# KiCad board mtk64_R_rev2.kicad_pcb (continued)
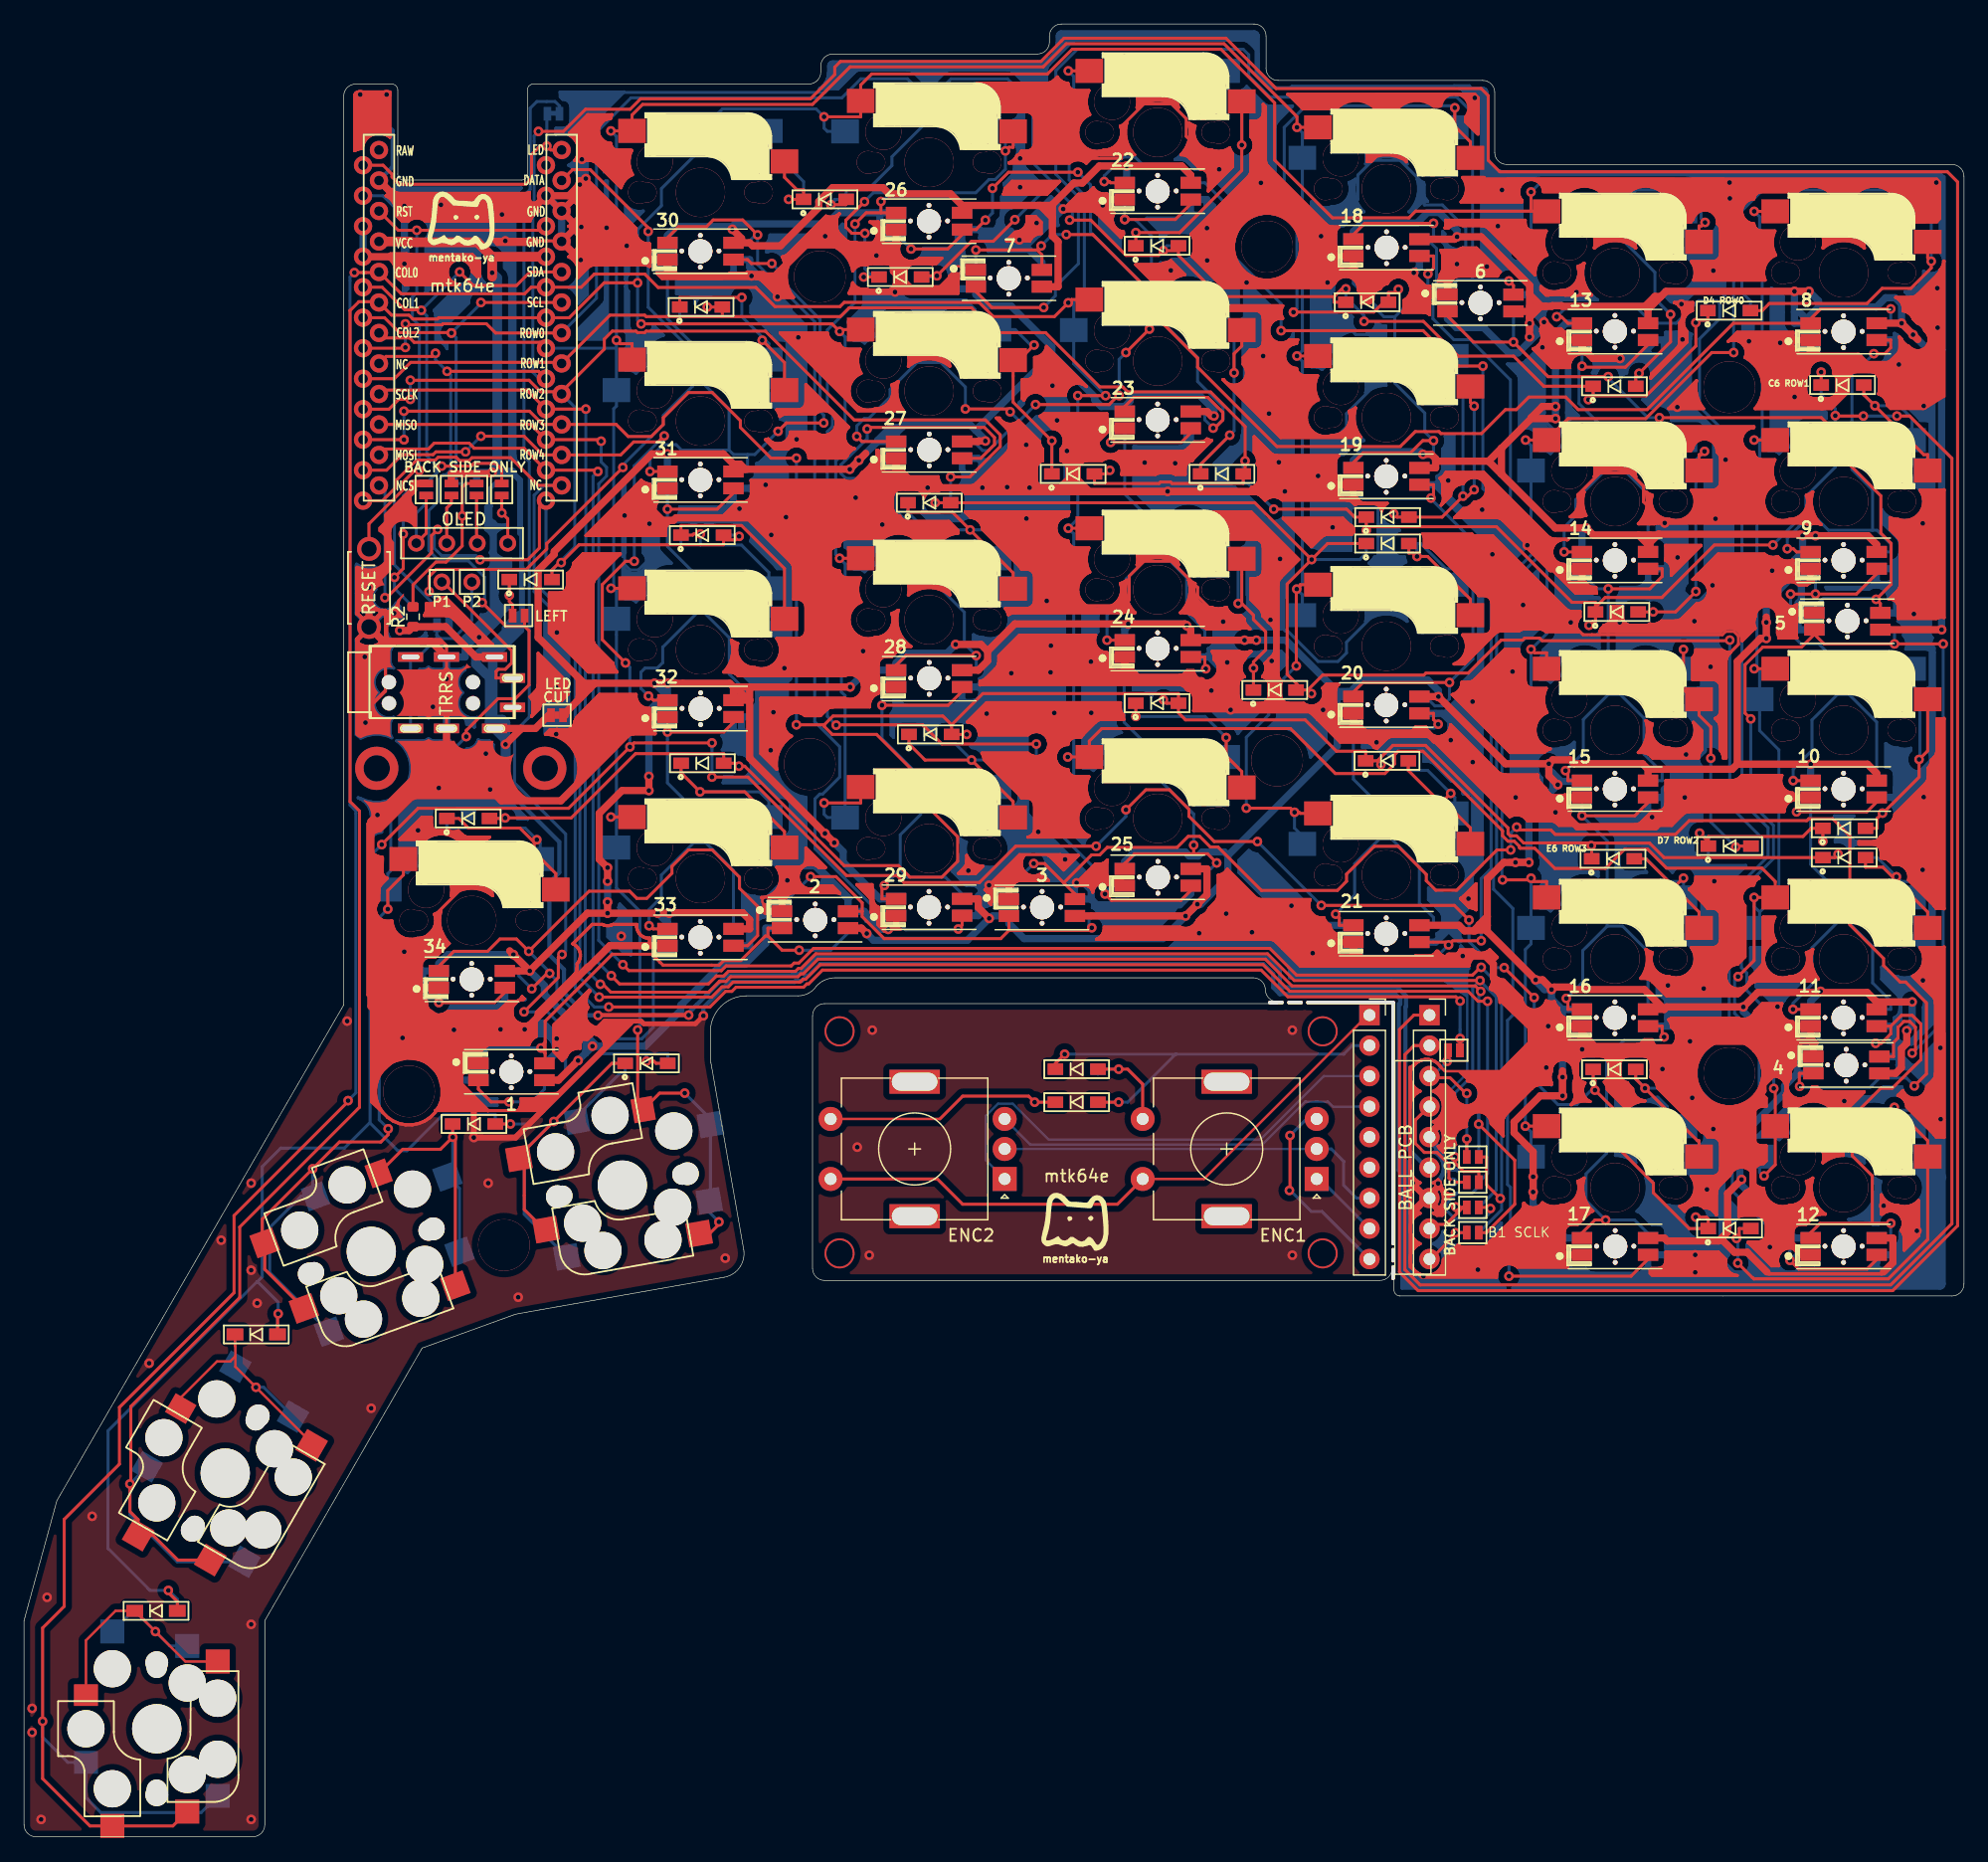
[diagram p0: board, top side]
## Routing (per net, layer and track width the routed paths; a pad name or vN(x,y) marks a point on that pad's centre or on a via; arc(x,y) is an arc through that point) (continued)
 72.81,114.95 ; 149.17,66.39 149.15,66.39 ; 149.17,66.39 149.15,66.39 ; 107.98,76.55 108.19,76.55 ; 107.98,76.55 107.78,76.59 ; 107.98,76.55 108.19,76.55 ; 107.98,76.55 107.78,76.59 ; 67.86,124.36 67.95,124.36 ; 67.86,124.36 67.66,124.4 ; 67.86,124.36 67.66,124.4 ; 67.86,124.36 67.95,124.36 ; 67.95,124.36 67.97,124.3 ; 67.95,124.36 67.97,124.3 ; 146.48,48.82 146.33,48.67 ; 146.48,48.82 146.65,48.93 ; 146.48,48.82 146.65,48.93 ; 146.48,48.82 146.33,48.67 ; 88.08,114.45 88.18,114.53 ; 88.08,114.45 88.18,114.53 ; 135.67,111.75 135.36,111.87 ; 135.67,111.75 135.36,111.87 ; 38.54,65.92 38.67,65.96 ; 38.54,65.92 38.67,65.96 ; 48.59,74.15 48.58,74.14 ; 48.59,74.15 48.72,74.22 ; 48.59,74.15 48.72,74.22 ; 48.59,74.15 48.58,74.14 ; 48.58,74.14 48.5,74.08 ; 48.58,74.14 48.5,74.08 ; 84.09,140.7 84.15,140.81 ; 84.09,140.7 84.01,140.6 ; 84.09,140.7 84.01,140.6 ; 84.09,140.7 84.15,140.81 ; 84.15,140.81 84.19,140.93 ; 84.15,140.81 84.19,140.93 ; 104.7,104.89 104.68,104.87 ; 104.7,104.89 104.68,104.87 ; 146.1,48.12 146.1,47.91 ; 146.1,48.12 146.1,47.91 ; 146.1,47.91 146.14,47.71 ; 146.1,47.91 146.14,47.71 ; 102.58,111.89 102.54,111.89 ; 102.58,111.89 102.69,111.87 ; 102.58,111.89 102.69,111.87 ; 102.58,111.89 102.54,111.89 ; 102.54,111.89 102.51,111.89 ; 102.54,111.89 102.51,111.89 ; 74.14,103.76 73.7,103.46 ; 74.14,103.76 74.63,103.96 ; 74.14,103.76 73.7,103.46 ; 74.14,103.76 74.63,103.96 ; 73.7,103.46 73.68,103.45 ; 73.7,103.46 73.68,103.45 ; 100,102.35 100.17,102.42 ; 100,102.35 100.17,102.42 ; 100,102.35 99.7,102.29 ; 100,102.35 99.7,102.29 ; 100.17,102.42 100.24,102.24 ; 100.17,102.42 100.24,102.24 ; 87.5,139.65 87.31,139.57 ; 87.5,139.65 87.31,139.57 ; 88.52,106.63 88.52,106.21 ; 88.52,106.63 88.52,106.21 ; 88.52,106.63 88.6,107.04 ; 88.52,106.63 88.6,107.04 ; 88.52,106.21 88.6,105.79 ; 88.52,106.21 88.6,105.79 ; 119.82,98.17 119.99,98.42 ; 119.82,98.17 119.6,97.94 ; 119.82,98.17 119.99,98.42 ; 119.82,98.17 119.6,97.94 ; 77.79,108.76 77.83,108.59 ; 77.79,108.76 77.83,108.59 ; 77.79,108.76 77.79,108.82 ; 77.79,108.76 77.79,108.82 ; 77.83,108.59 77.74,108.59 ; 77.83,108.59 77.74,108.59 ; 34,84.11 34.05,84 ; 34,84.11 33.96,84.23 ; 34,84.11 34.05,84 ; 34,84.11 33.96,84.23 ; 34.05,84 34.13,83.9 ; 34.05,84 34.13,83.9 ; 138.31,85.28 138.2,85.18 ; 138.31,85.28 138.2,85.18 ; 138.2,85.18 138.17,85.15 ; 138.2,85.18 138.17,85.15 ; 137.84,127.62 137.67,127.73 ; 137.84,127.62 137.99,127.47 ; 137.84,127.62 137.67,127.73 ; 137.84,127.62 137.99,127.47 ; 137.67,127.73 137.51,127.8 ; 137.67,127.73 137.51,127.8 ; 72.83,102.17 72.83,102.16 ; 72.83,102.17 72.83,102.16 ; 72.83,102.16 72.72,101.64 ; 72.83,102.16 72.72,101.64 ; 100.72,120.91 100.52,120.95 ; 100.72,120.91 100.52,120.95 ; 98.56,116.44 98.51,116.37 ; 98.56,116.44 98.51,116.37 ; 108.32,108.43 108.19,108.36 ; 108.32,108.43 108.19,108.36 ; 108.32,108.43 108.33,108.43 ; 108.32,108.43 108.33,108.43 ; 139.16,73.59 139.04,73.88 ; 139.16,73.59 139.22,73.28 ; 139.16,73.59 139.22,73.28 ; 139.16,73.59 139.04,73.88 ; 139.04,73.88 138.92,74.07 ; 139.04,73.88 138.92,74.07 ; 63.36,92.93 63.32,92.73 ; 63.36,92.93 63.32,92.73 ; 137.24,116.52 137.15,116.93 ; 137.24,116.52 137.15,116.93 ; 50.97,133.83 50.97,133.63 ; 50.97,133.83 51,133.97 ; 50.97,133.83 50.97,133.63 ; 50.97,133.83 51,133.97 ; 50.97,133.63 51.01,133.43 ; 50.97,133.63 51.01,133.43 ; 129.49,53.64 129.55,53.93 ; 129.49,53.64 129.38,53.37 ; 129.49,53.64 129.38,53.37 ; 129.49,53.64 129.55,53.93 ; 129.55,53.93 129.55,54.22 ; 129.55,53.93 129.55,54.22 ; 72.65,112.13 72.76,112.19 ; 72.65,112.13 72.76,112.19 ; 78.81,112.51 78.84,112.52 ; 78.81,112.51 78.77,112.52 ; 78.81,112.51 78.84,112.52 ; 78.81,112.51 78.77,112.52 ; 78.84,112.52 78.95,112.53 ; 78.84,112.52 78.95,112.53 ; 129.88,53.81 129.88,54.34 ; 129.88,53.81 129.88,54.34 ; 128.14,128.47 128.1,128.48 ; 128.14,128.47 128.1,128.48 ; 128.1,128.48 128.05,128.47 ; 128.1,128.48 128.05,128.47 ; 147.89,123.55 148.01,123.54 ; 147.89,123.55 147.77,123.59 ; 147.89,123.55 148.01,123.54 ; 147.89,123.55 147.77,123.59 ; 148.01,123.54 148.57,123.54 ; 148.01,123.54 148.57,123.54 ; 128.13,137.02 128.01,137.03 ; 128.13,137.02 128.25,136.99 ; 128.13,137.02 128.01,137.03 ; 128.13,137.02 128.25,136.99 ; 128.01,137.03 126.59,137.03 ; 128.01,137.03 126.59,137.03 ; 97.26,104.52 97.57,104.4 ; 97.26,104.52 97.57,104.4 ; 63.87,91.71 63.94,91.68 ; 63.87,91.71 63.94,91.68 ; 99.28,127.36 99.07,127.45 ; 99.28,127.36 99.63,127.12 ; 99.28,127.36 99.07,127.45 ; 99.28,127.36 99.63,127.12 ; 99.07,127.45 99.12,127.72 ; 99.07,127.45 99.12,127.72 ; 52.13,92.65 52.17,92.53 ; 52.13,92.65 52.17,92.53 ; 118.1,47.47 118.2,47.73 ; 118.1,47.47 118.2,47.73 ; 118.1,47.47 117.95,47.25 ; 118.1,47.47 117.95,47.25 ; 67.67,117.67 67.67,117.87 ; 67.67,117.67 67.67,117.87 ; 67.67,117.67 67.63,117.47 ; 67.67,117.67 67.63,117.47 ; 67.67,117.87 67.63,118.07 ; 67.67,117.87 67.63,118.07 ; 136.8,86.08 136.8,87.08 ; 136.8,86.08 136.8,87.08 ; 136.8,86.08 136.79,85.95 ; 136.8,86.08 136.79,85.95 ; 70.72,134.37 70.86,134.23 ; 70.72,134.37 70.86,134.23 ; 107.97,116.7 108.27,116.64 ; 107.97,116.7 108.27,116.64 ; 145.91,112.75 145.95,112.7 ; 145.91,112.75 145.75,113.14 ; 145.91,112.75 145.95,112.7 ; 145.91,112.75 145.75,113.14 ; 145.95,112.7 145.78,112.63 ; 145.95,112.7 145.78,112.63 ; 136.84,70.06 135.71,71.2 ; 136.84,70.06 136.86,70.07 ; 136.84,70.06 135.71,71.2 ; 136.84,70.06 136.86,70.07 ; 135.71,71.2 135.68,71.24 ; 135.71,71.2 135.68,71.24 ; 96.2,145.07 96.14,144.73 ; 96.2,145.07 96.14,144.73 ; 96.14,144.73 96.14,144.31 ; 96.14,144.73 96.14,144.31 ; 145.61,106.57 145.82,106.57 ; 145.61,106.57 145.41,106.61 ; 145.61,106.57 145.82,106.57 ; 145.61,106.57 145.41,106.61 ; 101.55,111.97 101.59,111.96 ; 101.55,111.97 95.69,111.97 ; 101.55,111.97 95.69,111.97 ; 101.55,111.97 101.59,111.96 ; 101.59,111.96 101.73,111.98 ; 101.59,111.96 101.73,111.98 ; 140.12,116.44 139.92,116.44 ; 140.12,116.44 139.92,116.44 ; 147.34,106.35 147.39,106.32 ; 147.34,106.35 147.39,106.32 ; 67.71,134.07 67.71,134.04 ; 67.71,134.07 67.71,134.11 ; 67.71,134.07 67.71,134.04 ; 67.71,134.07 67.71,134.11 ; 67.71,134.04 67.72,133.92 ; 67.71,134.04 67.72,133.92 ; 148.99,86.43 148.73,86.43 ; 148.99,86.43 148.99,86.45 ; 148.99,86.43 148.73,86.43 ; 148.99,86.43 148.99,86.45 ; 148.73,86.43 148.73,86.45 ; 148.73,86.43 148.73,86.45 ; 68.9,115.73 69.09,115.65 ; 68.9,115.73 69.09,115.65 ; 69.09,115.65 69.19,115.63 ; 69.09,115.65 69.19,115.63 ; 45.46,131.58 45.68,131.43 ; 45.46,131.58 45.68,131.43 ; 71.17,114.33 71.18,114.2 ; 71.17,114.33 71.18,114.2 ; 71.17,114.33 71.18,114.54 ; 71.17,114.33 71.18,114.54 ; 91.56,101.96 91.7,102.02 ; 91.56,101.96 91.7,102.02 ; 129.98,54.86 129.88,54.34 ; 129.98,54.86 129.98,54.87 ; 129.98,54.86 129.88,54.34 ; 129.98,54.86 129.98,54.87 ; 45.98,74.23 45.81,74.34 ; 45.98,74.23 45.81,74.34 ; 45.81,74.34 45.72,74.38 ; 45.81,74.34 45.72,74.38 ; 104.2,100.52 104.21,100.41 ; 104.2,100.52 104.21,100.41 ; 139.06,98.24 139.18,98.41 ; 139.06,98.24 139.18,98.41 ; 119.58,130.01 119.55,130.01 ; 119.58,130.01 119.55,130.01 ; 107.03,118.98 106.91,118.69 ; 107.03,118.98 106.91,118.69 ; 107.03,118.98 107.2,119.24 ; 107.03,118.98 107.2,119.24 ; 106.91,118.69 106.84,118.38 ; 106.91,118.69 106.84,118.38 ; 107.85,119.7 107.68,119.63 ; 107.85,119.7 107.68,119.63 ; 129.96,105.75 129.96,105.5 ; 129.96,105.75 129.94,105.75 ; 129.96,105.75 129.96,105.5 ; 129.96,105.75 129.94,105.75 ; 129.96,105.5 129.94,105.5 ; 129.96,105.5 129.94,105.5 ; 74.63,103.96 75.15,104.06 ; 74.63,103.96 75.15,104.06 ; 45.47,92.26 45.58,92.32 ; 45.47,92.26 45.35,92.23 ; 45.47,92.26 45.35,92.23 ; 45.47,92.26 45.58,92.32 ; 45.58,92.32 45.68,92.4 ; 45.58,92.32 45.68,92.4 ; 91.38,114.32 91.26,114.49 ; 91.38,114.32 91.46,114.13 ; 91.38,114.32 91.26,114.49 ; 91.38,114.32 91.46,114.13 ; 91.26,114.49 91.12,114.63 ; 91.26,114.49 91.12,114.63 ; 129.52,66.39 128.96,66.39 ; 129.52,66.39 128.96,66.39 ; 153.2,123.05 153.32,122.88 ; 153.2,123.05 153.32,122.88 ; 46.91,97.16 46.87,97.18 ; 46.91,97.16 46.94,97.12 ; 46.91,97.16 46.94,97.12 ; 46.91,97.16 46.87,97.18 ; 46.87,97.18 43.77,100.29 ; 46.87,97.18 43.77,100.29 ; 33.36,69.69 33.47,69.64 ; 33.36,69.69 33.47,69.64 ; 33.36,69.69 33.26,69.77 ; 33.36,69.69 33.26,69.77 ; 100.19,108.08 100.07,108.05 ; 100.19,108.08 100.31,108.09 ; 100.19,108.08 100.31,108.09 ; 100.19,108.08 100.07,108.05 ; 100.07,108.05 99.96,107.99 ; 100.07,108.05 99.96,107.99 ; 111.07,111.49 111.13,111.39 ; 111.07,111.49 111.13,111.39 ; 111.13,111.39 111.22,111.28 ; 111.13,111.39 111.22,111.28 ; 156.2,51.91 156.03,52.02 ; 156.2,51.91 156.34,51.76 ; 156.2,51.91 156.03,52.02 ; 156.2,51.91 156.34,51.76 ; 45.68,131.43 45.88,131.24 ; 45.68,131.43 45.88,131.24 ; 36.53,78.91 36.04,78.7 ; 36.53,78.91 37.05,79.01 ; 36.53,78.91 36.04,78.7 ; 36.53,78.91 37.05,79.01 ; 36.04,78.7 35.6,78.41 ; 36.04,78.7 35.6,78.41 ; 149.9,51.99 149.52,52.36 ; 149.9,51.99 149.52,52.36 ; 67.93,107.62 67.93,107.53 ; 67.93,107.62 67.93,107.53 ; 67.93,107.53 67.85,107.53 ; 67.93,107.53 67.85,107.53 ; 119.93,110.63 119.99,110.63 ; 119.93,110.63 119.99,110.63 ; 119.93,110.63 119.18,109.89 ; 119.93,110.63 119.18,109.89 ; 119.99,110.63 120.19,110.67 ; 119.99,110.63 120.19,110.67 ; 81.93,77.98 80.73,77.98 ; 81.93,77.98 80.73,77.98 ; 77.98,112.23 78.1,112.19 ; 77.98,112.23 78.1,112.19 ; 128.91,60.98 129.01,61.05 ; 128.91,60.98 129.01,61.05 ; 98.3,138.87 98.41,138.81 ; 98.3,138.87 98.41,138.81 ; 85.97,90.25 85.93,90.05 ; 85.97,90.25 85.93,90.05 ; 79.29,80.25 77.86,80.25 ; 79.29,80.25 77.86,80.25 ; 113.58,129.38 113.54,129.37 ; 113.58,129.38 113.54,129.37 ; 113.58,129.38 113.59,129.4 ; 113.58,129.38 113.59,129.4 ; 124.96,52.65 124.96,52.69 ; 124.96,52.65 124.96,52.69 ; 124.96,52.65 124.95,52.54 ; 124.96,52.65 124.95,52.54 ; 124.96,52.69 124.96,52.73 ; 124.96,52.69 124.96,52.73 ; 63.9,106.19 63.87,106.21 ; 63.9,106.19 63.87,106.21 ; 63.9,106.19 63.92,106.16 ; 63.9,106.19 63.92,106.16 ; 63.87,106.21 60.35,109.74 ; 63.87,106.21 60.35,109.74 ; 118.2,60.43 118.26,60.69 ; 118.2,60.43 118.1,60.17 ; 118.2,60.43 118.26,60.69 ; 118.2,60.43 118.1,60.17 ; 100.16,121.14 100.33,121.03 ; 100.16,121.14 100.02,121.29 ; 100.16,121.14 100.02,121.29 ; 100.16,121.14 100.33,121.03 ; 100.33,121.03 100.52,120.95 ; 100.33,121.03 100.52,120.95 ; 129.21,53.13 129.38,53.37 ; 129.21,53.13 129.01,52.92 ; 129.21,53.13 129.38,53.37 ; 129.21,53.13 129.01,52.92 ; 85.31,146.08 85.43,146.09 ; 85.31,146.08 85.28,146.08 ; 85.31,146.08 85.43,146.09 ; 85.31,146.08 85.28,146.08 ; 85.43,146.09 85.57,146.14 ; 85.43,146.09 85.57,146.14 ; 73.6,130.76 73.55,130.64 ; 73.6,130.76 73.55,130.64 ; 73.6,130.76 73.68,130.85 ; 73.6,130.76 73.68,130.85 ; 73.55,130.64 73.51,130.53 ; 73.55,130.64 73.51,130.53 ; 110.63,112.5 110.63,111.65 ; 110.63,112.5 110.63,111.65 ; 66.96,106.19 67.04,106.01 ; 66.96,106.19 66.92,106.39 ; 66.96,106.19 67.04,106.01 ; 66.96,106.19 66.92,106.39 ; 67.04,106.01 67.15,105.84 ; 67.04,106.01 67.15,105.84 ; 72.53,113.85 72.53,114.7 ; 72.53,113.85 72.37,113.69 ; 72.53,113.85 72.53,114.7 ; 72.53,113.85 72.37,113.69 ; 72.53,114.7 71.33,114.7 ; 72.53,114.7 71.33,114.7 ; 152.02,135.15 152.1,134.73 ; 152.02,135.15 152.02,135.57 ; 152.02,135.15 152.02,135.57 ; 152.02,135.15 152.1,134.73 ; 152.1,134.73 152.26,134.34 ; 152.1,134.73 152.26,134.34 ; 30.24,141.74 30.46,141.59 ; 30.24,141.74 30.46,141.59 ; 60.6,111.83 60.6,112.83 ; 60.6,111.83 60.6,112.83 ; 38.81,65.97 38.78,65.97 ; 38.81,65.97 38.84,65.97 ; 38.81,65.97 38.78,65.97 ; 38.81,65.97 38.84,65.97 ; 38.78,65.97 38.67,65.96 ; 38.78,65.97 38.67,65.96 ; 100.18,80.46 100.26,80.59 ; 100.18,80.46 100.26,80.59 ; 47.62,97.02 47.57,97.03 ; 47.62,97.02 47.57,97.03 ; 47.62,97.02 49.41,97.02 ; 47.62,97.02 49.41,97.02 ; 47.57,97.03 47.52,97.02 ; 47.57,97.03 47.52,97.02 ; 156.41,124.78 156.47,124.63 ; 156.41,124.78 156.47,124.63 ; 80.2,96.55 80.92,97.26 ; 80.2,96.55 80.92,97.26 ; 80.92,97.26 80.95,97.29 ; 80.92,97.26 80.95,97.29 ; 122.12,59.85 122.2,59.66 ; 122.12,59.85 122.2,59.66 ; 120.38,110.75 120.55,110.86 ; 120.38,110.75 120.19,110.67 ; 120.38,110.75 120.55,110.86 ; 120.38,110.75 120.19,110.67 ; 120.55,110.86 120.7,111.01 ; 120.55,110.86 120.7,111.01 ; 128.78,84.95 128.81,84.75 ; 128.78,84.95 128.78,85.15 ; 128.78,84.95 128.78,85.15 ; 128.78,84.95 128.81,84.75 ; 128.81,84.75 128.89,84.56 ; 128.81,84.75 128.89,84.56 ; 136.36,90.86 136.11,91.02 ; 136.36,90.86 136.11,91.02 ; 71.18,133.59 71.33,133.75 ; 71.18,133.59 71.33,133.75 ; 69.35,132.81 69.01,132.81 ; 69.35,132.81 69.01,132.81 ; 84.44,89.99 84.64,90.03 ; 84.44,89.99 84.24,89.99 ; 84.44,89.99 84.64,90.03 ; 84.44,89.99 84.24,89.99 ; 84.64,90.03 84.83,90.11 ; 84.64,90.03 84.83,90.11 ; 45.89,71.87 45.86,71.83 ; 45.89,71.87 45.86,71.83 ; 139.3,121.02 139.3,120.48 ; 139.3,121.02 139.3,120.48 ; 139.3,121.02 139.35,121.29 ; 139.3,121.02 139.35,121.29 ; 148.73,105.5 148.73,104.65 ; 148.73,105.5 148.73,104.65 ; 159.12,77.59 157.01,79.71 ; 159.12,77.59 157.01,79.71 ; 157.01,79.71 157.04,79.87 ; 157.01,79.71 157.04,79.87 ; 102.97,111.76 102.84,111.83 ; 102.97,111.76 102.84,111.83 ; 102.84,111.83 102.69,111.87 ; 102.84,111.83 102.69,111.87 ; 138.53,125.42 138.53,124.49 ; 138.53,125.42 138.49,125.46 ; 138.53,125.42 138.49,125.46 ; 138.53,125.42 138.53,124.49 ; 87.91,112.93 87.9,113.05 ; 87.91,112.93 87.9,113.05 ; 32.89,64.77 33.39,64.56 ; 32.89,64.77 33.39,64.56 ; 92.45,101.96 92.57,101.96 ; 92.45,101.96 92.57,101.96 ; 37.71,81.2 37.8,80.78 ; 37.71,81.2 37.8,80.78 ; 37.71,81.2 37.71,81.62 ; 37.71,81.2 37.71,81.62 ; 37.8,80.78 37.96,80.39 ; 37.8,80.78 37.96,80.39 ; 136.28,47.35 136.4,47.39 ; 136.28,47.35 136.16,47.34 ; 136.28,47.35 136.16,47.34 ; 136.28,47.35 136.4,47.39 ; 66.03,132.74 65.49,132.63 ; 66.03,132.74 65.49,132.63 ; 109.28,74.81 109.43,74.65 ; 109.28,74.81 109.43,74.65 ; 109.28,74.81 109.27,75.03 ; 109.28,74.81 109.27,75.03 ; 104.71,94.93 104.75,94.81 ; 104.71,94.93 104.7,95.05 ; 104.71,94.93 104.7,95.05 ; 104.71,94.93 104.75,94.81 ; 104.75,94.81 104.8,94.7 ; 104.75,94.81 104.8,94.7 ; 128.72,85.49 128.84,85.45 ; 128.72,85.49 128.61,85.54 ; 128.72,85.49 128.61,85.54 ; 128.72,85.49 128.84,85.45 ; 120.16,113.01 120.02,112.87 ; 120.16,113.01 120.02,112.87 ; 120.02,112.87 119.91,112.7 ; 120.02,112.87 119.91,112.7 ; 103.47,97.45 103.43,97.65 ; 103.47,97.45 103.43,97.65 ; 103.43,97.65 103.39,97.74 ; 103.43,97.65 103.39,97.74 ; 145.75,114.39 145.66,113.98 ; 145.75,114.39 145.88,114.71 ; 145.75,114.39 145.66,113.98 ; 145.75,114.39 145.88,114.71 ; 145.66,113.98 145.66,113.56 ; 145.66,113.98 145.66,113.56 ; 107.28,107.47 104.92,109.83 ; 107.28,107.47 104.92,109.83 ; 101.44,97.05 101.52,96.86 ; 101.44,97.05 101.4,97.25 ; 101.44,97.05 101.52,96.86 ; 101.44,97.05 101.4,97.25 ; 101.52,96.86 101.63,96.69 ; 101.52,96.86 101.63,96.69 ; 128.33,124.96 128.48,124.8 ; 128.33,124.96 128.48,124.8 ; 141.63,100.6 141.46,100.49 ; 141.63,100.6 141.82,100.68 ; 141.63,100.6 141.82,100.68 ; 141.63,100.6 141.46,100.49 ; 141.46,100.49 141.36,100.39 ; 141.46,100.49 141.36,100.39 ; 118.18,112.77 118.14,112.92 ; 118.18,112.77 118.2,112.63 ; 118.18,112.77 118.14,112.92 ; 118.18,112.77 118.2,112.63 ; 138.17,115.4 138.06,115.34 ; 138.17,115.4 138.06,115.34 ; 67.04,106.99 66.96,106.8 ; 67.04,106.99 67.15,107.16 ; 67.04,106.99 66.96,106.8 ; 67.04,106.99 67.15,107.16 ; 66.96,106.8 66.92,106.6 ; 66.96,106.8 66.92,106.6 ; 131.38,114.65 131.68,114.94 ; 131.38,114.65 131.03,114.41 ; 131.38,114.65 131.03,114.41 ; 131.38,114.65 131.68,114.94 ; 143.68,49.55 144.53,49.55 ; 143.68,49.55 144.53,49.55 ; 144.53,49.55 144.65,49.56 ; 144.53,49.55 144.65,49.56 ; 72.76,112.19 72.88,112.23 ; 72.76,112.19 72.88,112.23 ; 87.02,107.75 87.08,107.64 ; 87.02,107.75 86.98,107.87 ; 87.02,107.75 86.98,107.87 ; 87.02,107.75 87.08,107.64 ; 110.65,109.1 110.73,109 ; 110.65,109.1 110.6,109.21 ; 110.65,109.1 110.6,109.21 ; 110.65,109.1 110.73,109 ; 110.73,109 110.8,108.94 ; 110.73,109 110.8,108.94 ; 151.56,56.76 151.35,56.76 ; 151.56,56.76 151.56,56.76 ; 151.56,56.76 151.56,56.76 ; 151.56,56.76 151.35,56.76 ; 151.35,56.76 150.83,56.66 ; 151.35,56.76 150.83,56.66 ; 128.37,50.62 128.33,50.5 ; 128.37,50.62 128.43,50.73 ; 128.37,50.62 128.33,50.5 ; 128.37,50.62 128.43,50.73 ; 140.29,104.03 140.21,104.22 ; 140.29,104.03 140.21,104.22 ; 109.44,116.8 109.71,116.91 ; 109.44,116.8 109.71,116.91 ; 109.71,116.91 109.96,117.07 ; 109.71,116.91 109.96,117.07 ; 46.98,130.71 46.95,130.68 ; 46.98,130.71 46.95,130.68 ; 46.95,130.68 46.11,129.84 ; 46.95,130.68 46.11,129.84 ; 69.1,119.42 69.32,119.19 ; 69.1,119.42 69.32,119.19 ; 45.23,92.22 45.35,92.23 ; 45.23,92.22 45.35,92.23 ; 101.79,134.61 101.4,134.23 ; 101.79,134.61 101.4,134.23 ; 52.72,130.24 53.15,129.81 ; 52.72,130.24 53.15,129.81 ; 116.87,53.03 117.65,52.25 ; 116.87,53.03 117.65,52.25 ; 32.39,74.74 32.69,74.8 ; 32.39,74.74 32.69,74.8 ; 71.51,108.11 71.86,108.35 ; 71.51,108.11 71.86,108.35 ; 79.48,80.9 79.21,81.01 ; 79.48,80.9 79.21,81.01 ; 128.33,105.91 128.48,105.75 ; 128.33,105.91 128.48,105.75 ; 128.33,105.91 128.32,105.99 ; 128.33,105.91 128.32,105.99 ; 128.48,105.75 129.68,105.75 ; 128.48,105.75 129.68,105.75 ; 101.24,100.61 98.52,100.61 ; 101.24,100.61 98.52,100.61 ; 116.77,91.67 116.73,91.67 ; 116.77,91.67 116.8,91.67 ; 116.77,91.67 116.73,91.67 ; 116.77,91.67 116.8,91.67 ; 116.73,91.67 114.08,91.67 ; 116.73,91.67 114.08,91.67 ; 143.4,61.13 143.86,61.44 ; 143.4,61.13 142.9,60.92 ; 143.4,61.13 143.86,61.44 ; 143.4,61.13 142.9,60.92 ; 143.86,61.44 144.25,61.82 ; 143.86,61.44 144.25,61.82 ; 67.97,124.3 68.03,124.19 ; 67.97,124.3 68.03,124.19 ; 134.65,90.46 134.94,90.9 ; 134.65,90.46 134.5,90.32 ; 134.65,90.46 134.5,90.32 ; 134.65,90.46 134.94,90.9 ; 134.94,90.9 135.14,91.39 ; 134.94,90.9 135.14,91.39 ; 138.18,126.51 138.22,126.71 ; 138.18,126.51 138.22,126.71 ; 138.22,126.71 138.22,126.91 ; 138.22,126.71 138.22,126.91 ; 147.03,62.02 147.14,61.85 ; 147.03,62.02 147.14,61.85 ; 147.03,62.02 146.95,62.2 ; 147.03,62.02 146.95,62.2 ; 149.72,118.97 144.24,118.97 ; 149.72,118.97 144.24,118.97 ; 144.24,118.97 144.25,118.98 ; 144.24,118.97 144.25,118.98 ; 152.26,134.34 152.49,133.99 ; 152.26,134.34 152.49,133.99 ; 47.01,67.78 46.89,67.95 ; 47.01,67.78 47.15,67.63 ; 47.01,67.78 46.89,67.95 ; 47.01,67.78 47.15,67.63 ; 46.89,67.95 46.81,68.13 ; 46.89,67.95 46.81,68.13 ; 72.34,130.85 72.24,130.93 ; 72.34,130.85 72.42,130.76 ; 72.34,130.85 72.24,130.93 ; 72.34,130.85 72.42,130.76 ; 72.24,130.93 72.13,130.99 ; 72.24,130.93 72.13,130.99 ; 146.6,87.32 146.74,87.17 ; 146.6,87.32 146.74,87.17 ; 146.74,87.17 146.91,87.06 ; 146.74,87.17 146.91,87.06 ; 90.76,114.82 90.56,114.86 ; 90.76,114.82 90.95,114.74 ; 90.76,114.82 90.95,114.74 ; 90.76,114.82 90.56,114.86 ; 90.56,114.86 90.36,114.86 ; 90.56,114.86 90.36,114.86 ; 124.6,100.48 124.55,100.44 ; 124.6,100.48 124.55,100.44 ; 124.55,100.44 123.11,100.44 ; 124.55,100.44 123.11,100.44 ; 94.72,113.61 94.69,113.61 ; 94.72,113.61 94.69,113.61 ; 105.23,124.54 105.4,124.65 ; 105.23,124.54 105.04,124.46 ; 105.23,124.54 105.04,124.46 ; 105.23,124.54 105.4,124.65 ; 34.23,83.82 34.13,83.9 ; 34.23,83.82 34.13,83.9 ; 62.84,80.58 62.72,80.77 ; 62.84,80.58 62.96,80.29 ; 62.84,80.58 62.96,80.29 ; 62.84,80.58 62.72,80.77 ; 62.72,80.77 64.51,80.77 ; 62.72,80.77 64.51,80.77 ; 89.54,115.85 89.62,115.66 ; 89.54,115.85 89.62,115.66 ; 89.62,115.66 89.73,115.49 ; 89.62,115.66 89.73,115.49 ; 147.63,64.3 147.62,64.3 ; 147.63,64.3 147.62,64.3 ; 147.63,64.3 147.61,64.37 ; 147.63,64.3 147.61,64.37 ; 147.62,64.3 147.49,64.23 ; 147.62,64.3 147.49,64.23 ; 104.92,109.83 109.88,109.83 ; 104.92,109.83 109.88,109.83 ; 107.78,121.71 107.65,121.39 ; 107.78,121.71 106.66,121.71 ; 107.78,121.71 107.65,121.39 ; 107.78,121.71 106.66,121.71 ; 107.65,121.39 107.56,120.98 ; 107.65,121.39 107.56,120.98 ; 72.79,76.6 72.79,75.75 ; 72.79,76.6 72.81,76.6 ; 72.79,76.6 72.79,75.75 ; 72.79,76.6 72.81,76.6 ; 63.03,76.94 63.03,76.96 ; 63.03,76.94 63.03,76.96 ; 63.03,76.96 63.01,76.96 ; 63.03,76.96 63.01,76.96 ; 129.68,67.65 129.68,67.67 ; 129.68,67.65 128.48,67.65 ; 129.68,67.65 128.48,67.65 ; 129.68,67.65 129.68,67.67 ; 148.94,62.2 148.98,62.4 ; 148.94,62.2 148.98,62.4 ; 148.98,62.4 148.98,62.45 ; 148.98,62.4 148.98,62.45 ; 146.15,103.42 146.15,103.62 ; 146.15,103.42 